# Altium PCB HYDRA_V3_NAV_CRIPPLED_V2.PcbDoc (part 2 of 2) (continued)
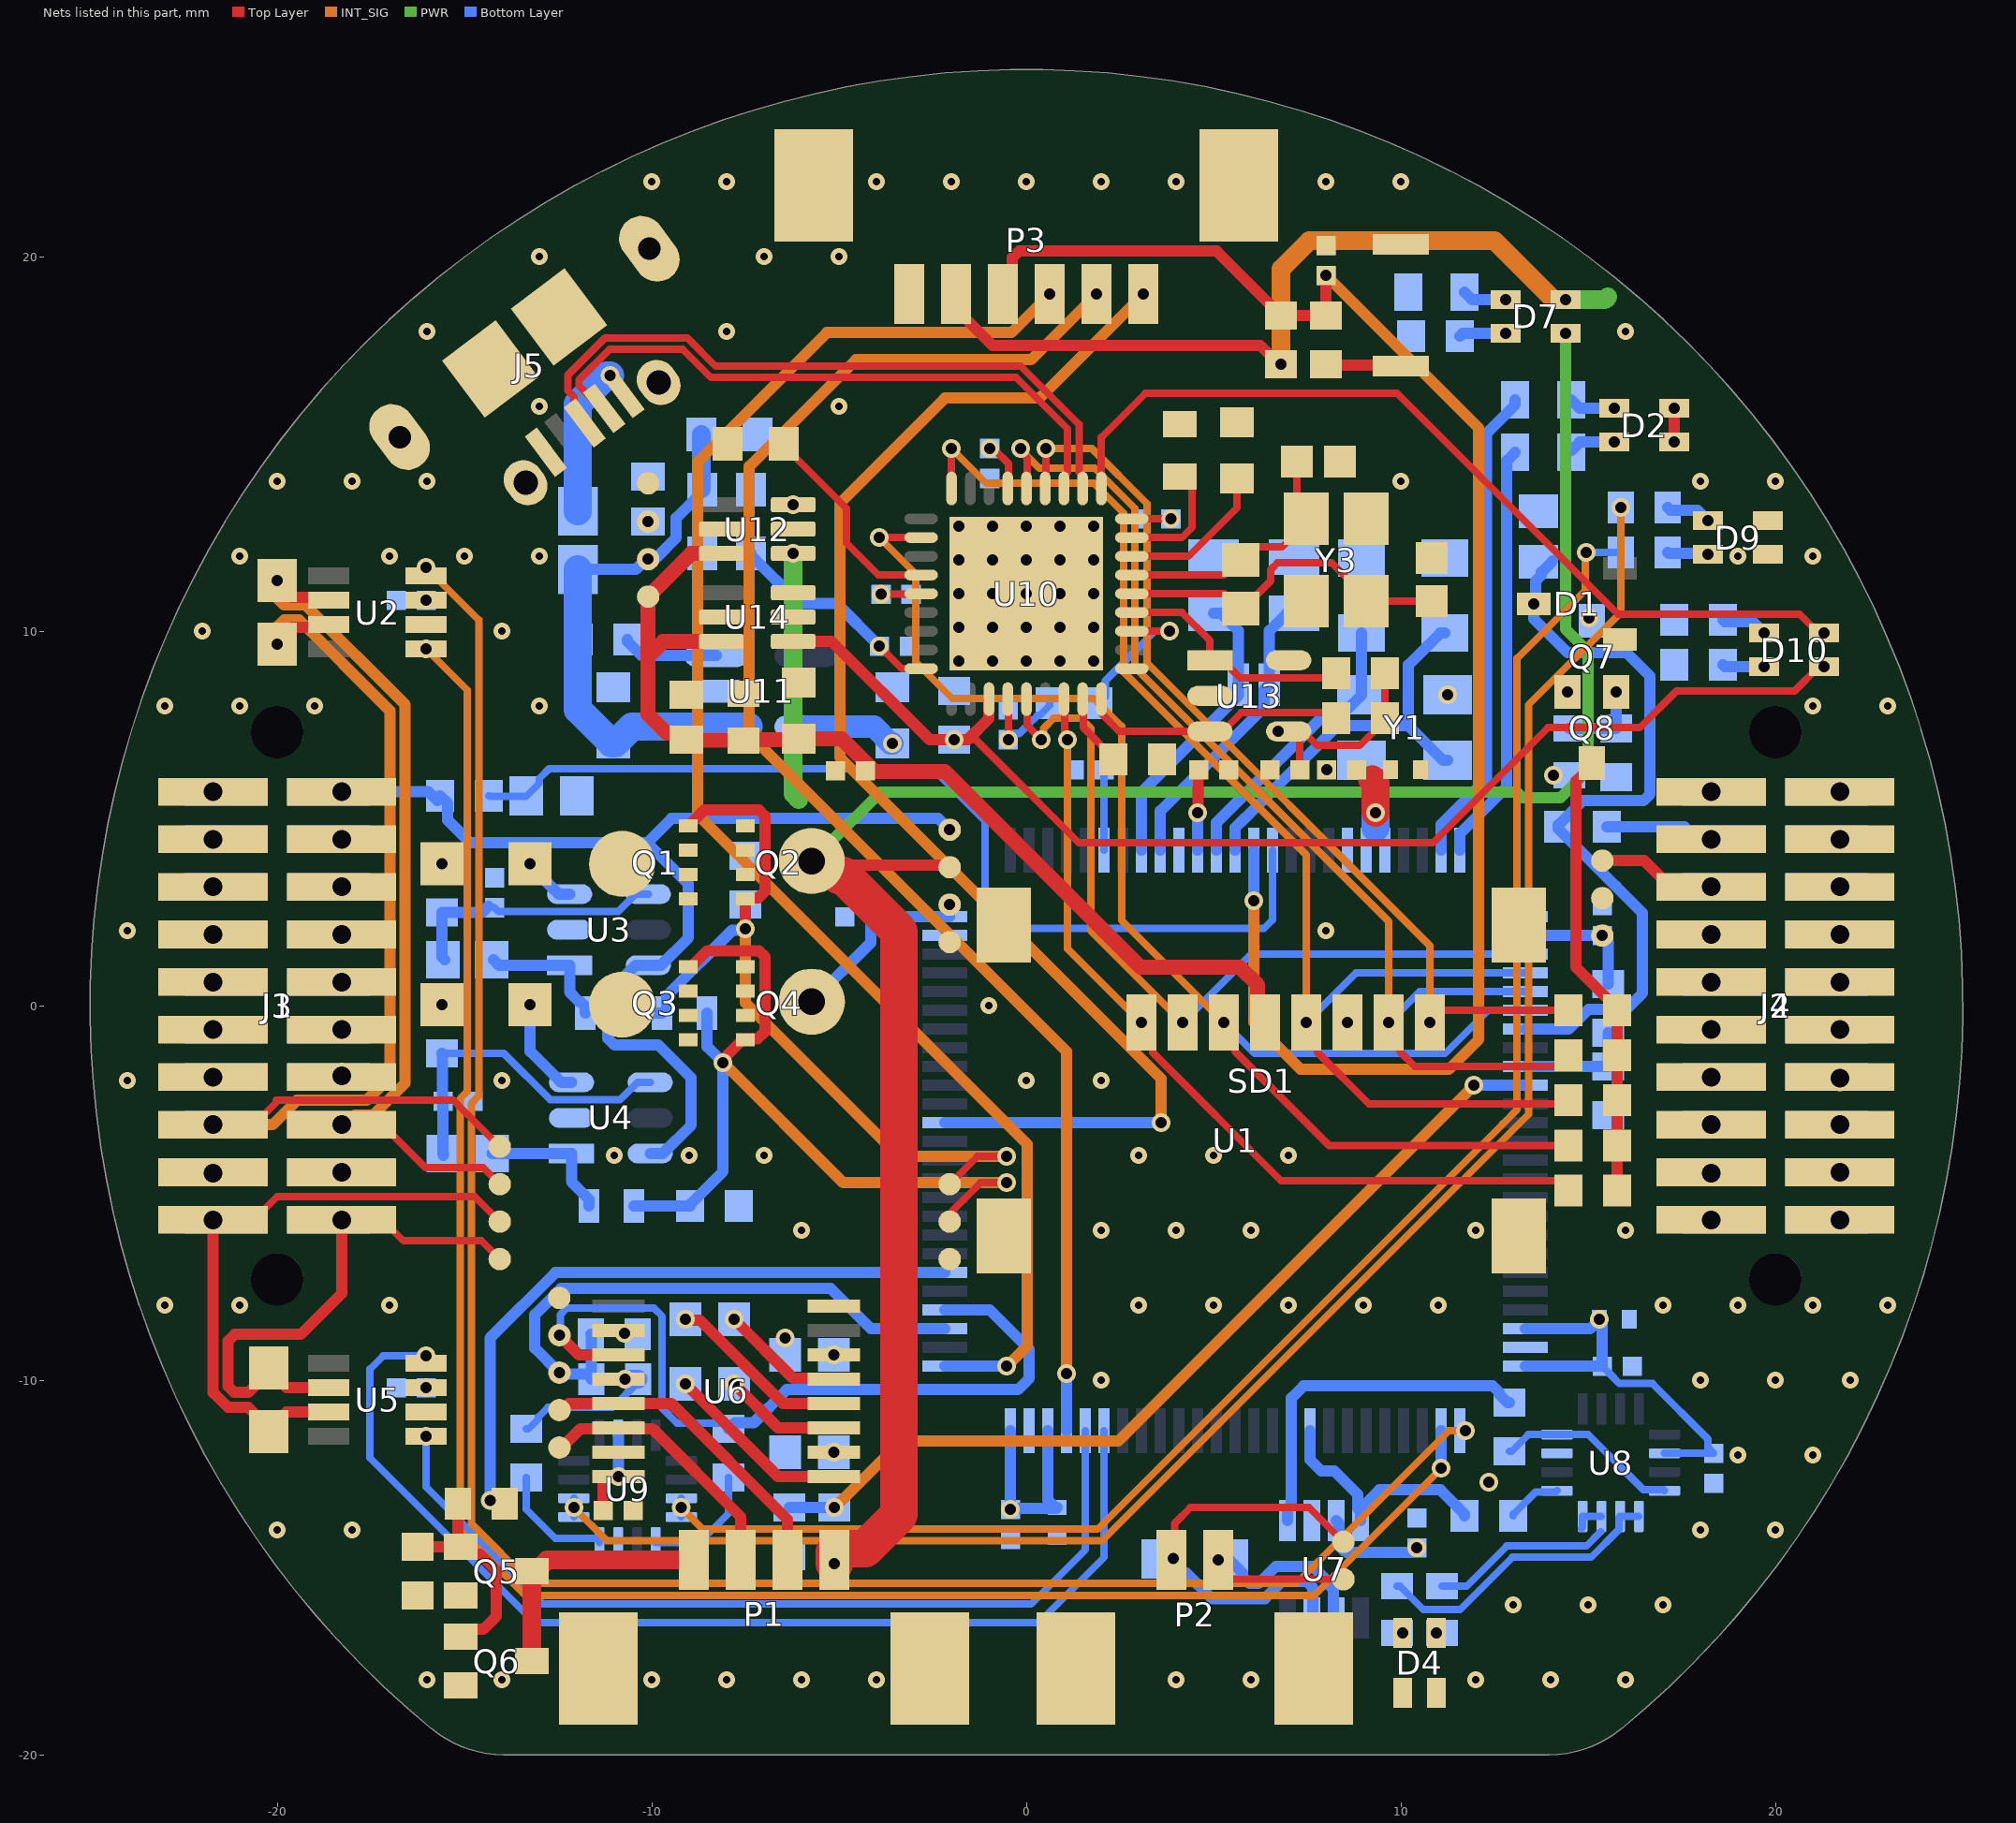
[diagram p6: the nets of this part, all layers, seen from the top]
## Nets (pads, with @x,y where several pads share a name; then routed paths per layer and width w, separated by ;. In a path a pad name is that pad's centre, name@x,y a point inside that pad or via, vN(x,y) a via of type N, cw(c..) or ccw(c..) an arc to the next point about the centre after c; other vN are vias at no path point) (continued)
  other v1: 12.35,-12.725 -6.445,-8.87 -10.725,-8.745 8.57,-0.45 8.015,6.3 11.25,8.3 -1.8,9.2 -0.9,9.2 0,9.2 0.9,9.2 1.8,9.2 -1.8,10.1 -0.9,10.1 0,10.1 0.9,10.1 1.8,10.1 -1.8,11 -0.9,11 0,11 0.9,11 1.8,11 -1.8,11.9 -0.9,11.9 0,11.9 0.9,11.9 1.8,11.9 -1.8,12.8 -0.9,12.8 0,12.8 0.9,12.8 1.8,12.8
  other v2: -16,-18 -14,-18 -10,-18 -8,-18 -6,-18 -4,-18 4,-18 6,-18 12,-18 14,-18 16,-18 13,-16 15,-16 17,-16 -20,-14 -18,-14 18,-14 20,-14 19,-12 21,-12 2,-10 18,-10 20,-10 22,-10 -23,-8 -21,-8 -17,-8 3,-8 5,-8 7,-8 9,-8 11,-8 17,-8 19,-8 21,-8 23,-8 -6,-6 2,-6 4,-6 6,-6 12,-6 16,-6 -11,-4 -9,-4 -7,-4 3,-4 5,-4 7,-4 -24,-2 -14,-2 0,-2 2,-2 -1,0 -24,2 8,2 -23,8 -21,8 -19,8 -13,8 21,8 23,8 -22,10 -14,10 -21,12 -17,12 -15,12 -13,12 19,12 21,12 -20,14 -18,14 -16,14 10,14 18,14 20,14 -13,16 -5,16 -16,18 -8,18 16,18 -13,20 -7,20 -5,20 -10,22 -8,22 -4,22 -2,22 0,22 2,22 4,22 8,22 10,22
  other v3: 18.285,-5.715 21.715,-5.715 -21.715,-4.475 18.285,-4.475 -18.285,-4.445 21.715,-4.445 18.285,-3.175 21.715,-3.175 21.715,-1.933 -21.715,-1.905 18.285,-1.905 -18.287,-1.871 18.285,-0.635 21.715,-0.635 18.285,0.635 21.715,0.635 -21.715,1.905 -18.285,1.905
NetC15_1: C15.1 R12.1 R14.2 U3.4 | length 6.9
  Bottom Layer w0.2: C15.1@-14.2,2.615 -14.098,2.513 -10.901,2.513 -10.435,2.98 U3.4@-10.097,2.98
  Bottom Layer w0.3: R14.2@-15.525,1.225 -15.603,1.303 R12.1@-15.603,2.49 -14.537,2.49 C15.1@-14.372,2.655
NetC16_1: C16.1 R16.1 R17.2 U4.4 | length 9
  Bottom Layer w0.2: R16.1@-15.6,-1.27 -13.955,-1.27 -12.713,-2.512 -10.851,-2.512 -10.385,-2.045 U4.4@-10.047,-2.045
  Bottom Layer w0.3: R16.1@-15.6,-1.27 -15.587,-1.282 -15.587,-2.538 C16.1@-15.575,-2.55 -15.575,-3.943 R17.2@-15.573,-3.945 R17.2@-15.573,-3.995
NetC22_1: C22.1 U6.2
  other v1: -5.145,-11.92
NetC23_1: C23.1 U6.3 | length 3.1
  Top Layer w0.3: v1(-7.8,-10.1) -6.63,-11.27 U6.3@-5.145,-11.27
NetC23_2: C23.2 U6.1 | length 5
  Top Layer w0.3: v1(-9.1,-10.1) -6.63,-12.57 U6.1@-5.145,-12.57
NetC24_1: C24.1 U6.6
  other v1: -5.145,-9.32
NetC25_1: C25.1 U6.5 | length 3.3
  Top Layer w0.3: v1(-7.8,-8.375) -6.23,-9.945 -5.17,-9.945 U6.5@-5.145,-9.97
NetC25_2: C25.2 U6.4 | length 4.9
  Top Layer w0.3: v1(-9.1,-8.375) -9.081,-8.394 -8.729,-8.394 -6.502,-10.62 U6.4@-5.145,-10.62
NetD2_1: D2.1 R18.1 | length 1.2
  Bottom Layer w0.3: R18.1@14.55,14.825 14.775,15.05 v1(15.7,15.05)
NetD2_4: D2.4 R19.1 | length 1.2
  Bottom Layer w0.3: R19.1@14.55,16.175 14.775,15.95 v1(15.7,15.95)
NetD4_2: D4.2 R35.2
  other v1: 10.95,-16.75
NetD4_3: D4.3 R37.2
  other v1: 10.05,-16.75
NetD7_1: D7.1 R23.1 | length 1.3
  Bottom Layer w0.3: R23.1@11.575,17.875 11.65,17.95 v1(12.8,17.95)
NetD7_4: D7.4 R24.1 | length 1.2
  Bottom Layer w0.3: R24.1@11.7,19.05 11.9,18.85 v1(12.8,18.85)
NetD9_2: D9.2 R39.2 | length 1.2
  Bottom Layer w0.3: R39.2@17.125,13.3 17.2,13.225 17.924,13.225 v1(18.2,12.95)
NetD9_3: D9.3 R41.2 | length 1.1
  Bottom Layer w0.3: R41.2@17.125,12.1 17.15,12.075 18.175,12.075 v1(18.2,12.05)
NetD10_1: D10.1 R51.1 | length 1.1
  Bottom Layer w0.3: R51.1@18.6,9.1 18.65,9.05 v1(19.7,9.05)
NetD10_4: D10.4 R52.1 | length 1.2
  Bottom Layer w0.3: R52.1@18.6,10.3 18.65,10.25 19.4,10.25 v1(19.7,9.95)
NetFB1_2: FB1.2 J5.1 | length 4
  Bottom Layer w0.75: FB1.2@-11.975,13.201 -11.975,16.069 -11.209,16.835 v1(-11.113,16.835)
NetQ1_1: Q1.1 Q1.2 Q1.3 Q2.1 Q2.2 Q2.3
NetQ3_1: Q3.1 Q3.2 Q3.3 Q4.1 Q4.2 Q4.3
NetQ5_1: Q5.1 Q6.1 R27.2 R28.2 | length 6
  Top Layer w0.3: R28.2@-16.262,-14.463 R28.2@-16.25,-14.45 Q5.1@-15.1,-14.45 ; R27.2@-15.187,-13.287 R27.2@-15.175,-13.3 -15.175,-14.375 Q5.1@-15.1,-14.45 ; Q6.1@-15.1,-16.85 -14.9,-16.65 -14.5,-16.65 -14.15,-16.3 -14.15,-15.075 -14.575,-14.65 -14.9,-14.65 Q5.1@-15.1,-14.45
NetQ7_2: Q7.2 Q8.2
  other v1: 14.45,8.375
NetR20_2: R20.2 SW1.1 | length 2
  Top Layer w0.3: R20.2@8,17.125 8.025,17.1 9.975,17.1 SW1.1@10,17.075
NetR35_1: R35.1 U8.7 U8.8 | length 5.7
  Bottom Layer w0.2: R35.1@11.1,-15.5 11.75,-15.5 12.825,-14.425 14.95,-14.425 U8.7@15.335,-14.04 ; U8.8@14.82,-13.955 14.85,-13.925 U8.8@14.85,-13.635 U8.7@15.35,-13.635
NetR36_2: R36.2 U8.9 | length 1.5
  Bottom Layer w0.2: R36.2@13,-13.625 13,-13.575 13.595,-12.98 14.135,-12.98 U8.9@14.165,-12.95
NetR37_1: R37.1 U8.5 U8.6 | length 7.9
  Bottom Layer w0.2: R37.1@9.9,-15.5 9.975,-15.5 10.6,-16.125 11.575,-16.125 12.973,-14.727 15.074,-14.727 15.82,-13.981 15.82,-13.665 U8.6@15.85,-13.635 U8.5@16.35,-13.635
NetR38_1: R38.1 U8.4 U8.12 | length 4.9
  Bottom Layer w0.2: R38.1@12.9,-11.9 12.95,-11.9 13.4,-11.45 15,-11.45 16.47,-12.92 17.005,-12.92 U8.4@17.035,-12.95
NetR39_1: R39.1 U9.13 U9.14 | length 48.3
  INT_SIG w0.2: v1(-12.085,-13.4) -11.208,-14.277 2.024,-14.277 13.402,-2.9 13.402,8.034 15.875,10.507 v1(15.875,13.3)
  Bottom Layer w0.2: U9.13@-12.085,-13.65 v1(-12.085,-13.4) U9.14@-12.085,-13.15
NetR40_2: R40.2 U9.12 | length 3.2
  Bottom Layer w0.2: R40.2@-13.35,-12.6 -13.35,-13.45 -12.575,-14.225 -11.43,-14.225 -11.4,-14.255 U9.12@-11.4,-14.335
NetR41_1: R41.1 U9.7 U9.8 | length 44.3
  INT_SIG w0.2: v1(-9.215,-13.4) -8.64,-13.975 1.9,-13.975 12.723,-3.152 12.723,-3.15 13.1,-2.773 13.1,9.275 14.925,11.1 14.925,12.075 v1(14.95,12.1)
  Bottom Layer w0.2: U9.8@-9.215,-13.65 v1(-9.215,-13.4) U9.7@-9.215,-13.15 ; v1(14.95,12.1) R41.1@15.875,12.1
NetR42_1: R42.1 U9.9 | length 3.2
  Bottom Layer w0.2: U9.9@-9.9,-14.335 -8.735,-14.335 -7.95,-13.55 R42.1@-7.95,-12.6
NetR47_2: R47.2 U10.35 | length 3.2
  Top Layer w0.2: U10.35@2.834,12.499 4.149,12.499 4.425,12.775 4.425,13.875 4.175,14.125 R47.2@4.1,14.125
NetR53_1: R53.1 U11.3 | length 2.6
  Bottom Layer w0.3: R53.1@-10.65,9.775 -10.65,9.725 -10.275,9.35 U11.3@-8.275,9.35
nRESET: C30.2 R43.2 R44.2 U10.18 | length 7.2
  Top Layer w0.2: v1(-3.925,9.6) -3.324,8.999 U10.18@-2.791,8.999
  Bottom Layer w0.3: R43.2@-8.65,12.075 R44.2@-7.35,12.075 -7.35,12.025 -6.067,10.742 -5.067,10.742 v1(-3.925,9.6)
PRE_SBG_RX: R25.2 R40.1 U6.12 | length 4
  Bottom Layer w0.2: R40.1@-13.35,-11.3 -13.3,-11.3 -13.025,-11.025 -13.025,-10.975 -12.775,-10.725 -11.05,-10.725 -10.37,-10.045 R25.2@-10.37,-9.97
  Bottom Layer w0.5: v1(-10.72,-9.97) R25.2@-10.37,-9.97
PYRO_PWR: J2.01 J2.02 J2.03 J2.04 J2.05 J2.06 J2.07 J2.08 J4.01 J4.02 J4.03 J4.04 J4.05 J4.06 J4.07 J4.08 R4.2 TP3.1 | length 6.1
  Top Layer w0.3: TP3.1@15.375,3.875 16.495,3.875 17.195,3.175 v3(18.285,3.175)
  Bottom Layer w0.3: R4.2@15.5,4.775 17.565,4.775 17.895,4.445 v3(18.285,4.445)
  other v3: 18.285,1.905 21.715,1.905 21.715,3.175 21.715,4.445 18.285,5.715 21.715,5.715
PYRO_PWR_SENSE: D1.3 R4.1 R8.2 U1.32 | length 20.3
  Bottom Layer w0.3: U1.32@13.325,-0.625 14.474,-0.625 15.001,-0.098 16.012,-0.098 16.45,0.339 16.45,2.475 15.887,3.038 15.739,3.187 R4.1@14.2,4.725 ; R8.2@14.05,11.875 13.75,11.575 13.75,11.5 13.588,11.338 13.588,10.763 v1(13.55,10.725) 13.55,10.326 14.451,9.425 16.025,9.425 16.65,8.8 16.65,5.649 16.474,5.473 14.848,5.473 14.2,4.825 R4.1@14.2,4.775
R_LED: R19.2 U1.24 | length 12.8
  Bottom Layer w0.3: U1.24@11.075,4.15 11.075,4.844 12.277,6.046 12.277,15.277 13.05,16.05 R19.2@13.05,16.175
RESETN: C6.1 C18.1 P3.4 R20.1 R22.2 U1.14 | length 44.9
  Top Layer w0.3: P3.4@-0.625,19 -0.375,19.25 -0.375,19.974 -0.199,20.15 4.519,20.15 4.521,20.148 5.077,20.148 6.525,18.7 6.525,18.65 6.75,18.425 R22.2@6.8,18.425 R20.1@8,18.425 v1(8,19.5)
  INT_SIG w0.3: v1(6.075,2.8) 6.075,-0.45 7.325,-1.7 11.275,-1.7 12.075,-0.9 12.075,15.425 v1(8,19.5)
  Bottom Layer w0.3: v1(6.075,2.8) U1.14@6.075,4.15
SBG_GND: P1.1 Q5.3 Q6.3 | length 6.8
  Top Layer w0.5: Q6.3@-13.2,-17.5 Q5.3@-13.2,-15.1 -13.1,-15.1 -12.8,-14.8 P1.1@-8.875,-14.8
SBG_PWR: R27.1 U1.81 | length 17.2
  Bottom Layer w0.3: v1(-14.322,-13.212) -14.322,-8.872 -12.575,-7.125 U1.81@-2.175,-7.125
SBG_RS232_RX: P1.3 TP19.1 U6.13 | length 8.5
  Top Layer w0.3: TP19.1@-12.47,-10.795 -12.389,-10.795 -12.214,-10.62 U6.13@-10.895,-10.62 -9.48,-10.62 -6.375,-13.725 P1.3@-6.375,-14.8
SBG_RS232_TX: P1.2 TP18.1 U6.14 | length 7.2
  Top Layer w0.3: TP18.1@-12.47,-11.795 -12.41,-11.795 -11.91,-11.295 -10.92,-11.295 U6.14@-10.895,-11.27 -10.87,-11.295 -9.98,-11.295 -7.625,-13.65 P1.2@-7.625,-14.8
SBG_RX: R25.1 R26.2 TP17.1 U1.78 | length 15.4
  Bottom Layer w0.3: R25.1@-11.757,-9.833 -12.432,-9.833 v1(-12.47,-9.795) -13.125,-9.14 -13.125,-8.25 -12.425,-7.55 -5.225,-7.55 -4.15,-8.625 U1.78@-2.175,-8.625 ; R26.2@-11.625,-8.775 -11.623,-8.777 -11.623,-9.968 R25.1@-11.62,-9.97
SBG_TX: R42.2 TP16.1 U1.79 U6.11 | length 21.7
  Top Layer w0.3: v1(-12.47,-8.795) -11.945,-9.32 U6.11@-10.895,-9.32
  Bottom Layer w0.2: v1(-12.47,-8.795) -12.445,-8.77 -12.445,-8.245 -12.275,-8.075 -9.942,-8.075 -9.727,-8.291 -9.727,-10.748 -9.325,-11.15 -8.1,-11.15 R42.2@-7.95,-11.3
  Bottom Layer w0.3: R42.2@-7.95,-11.3 -7.782,-11.132 -7.282,-11.132 -6.4,-10.25 -0.225,-10.25 0.075,-9.95 0.075,-9.175 -0.975,-8.125 U1.79@-2.175,-8.125
SD_ACT: D10.3 U10.1 | length 23.8
  Top Layer w0.2: U10.1@2,13.812 2,15.175 3.175,16.35 9.9,16.35 15.8,10.45 20.65,10.45 21.15,9.95 v1(21.3,9.95)
SD_CLK: R29.1 SD1.5 U1.29 U10.9 | length 36.6
  Top Layer w0.2: U10.9@-2,13.812 v1(-2,14.875) ; v1(7.47,-0.45) 7.77,-0.75 7.77,-1.245 9.15,-2.625 14.375,-2.625 R29.1@14.475,-2.525
  INT_SIG w0.2: v1(-2,14.875) -1.075,13.95 1.798,13.95 2.598,13.15 2.598,8.902 7.47,4.03 v1(7.47,-0.45)
  Bottom Layer w0.2: v1(7.47,-0.45) 8.795,0.875 U1.29@13.325,0.875
SD_CMD: R30.1 SD1.3 U1.31 U10.11 | length 39.8
  Top Layer w0.2: v1(-3.925,12.5) U10.11@-2.792,12.499 ; v1(5.27,-0.45) 5.57,-0.75 5.57,-1.22 8.081,-3.731 R30.1@14.475,-3.731
  INT_SIG w0.2: v1(-3.925,12.5) -2.95,11.525 -2.95,9.175 -1.975,8.2 1.8,8.2 2.539,7.461 2.539,2.281 v1(5.27,-0.45)
  Bottom Layer w0.2: v1(5.27,-0.45) 6.095,-1.275 11.175,-1.275 12.325,-0.125 U1.31@13.325,-0.125
SD_DAT0: R31.1 SD1.7 U1.30 U10.5 | length 31.1
  Top Layer w0.2: v1(-0.15,14.875) -0.15,14.794 0.022,14.622 U10.5@0.022,13.811 ; v1(9.67,-0.45) 9.97,-0.75 9.97,-1.22 10.375,-1.625 14.2,-1.625 14.475,-1.35 R31.1@14.475,-1.325
  INT_SIG w0.2: v1(-0.15,14.875) -0.15,14.842 0.342,14.35 1.825,14.35 2.9,13.275 2.9,9.027 9.67,2.257 v1(9.67,-0.45)
  Bottom Layer w0.2: v1(9.67,-0.45) 10.495,0.375 U1.30@13.325,0.375
SD_DAT1: R32.1 SD1.8 U10.4 | length 25.2
  Top Layer w0.2: U10.4@0.522,13.811 v1(0.522,14.878) ; v1(10.77,-0.45) 10.77,-0.425 11.07,-0.125 R32.1@14.475,-0.125
  INT_SIG w0.2: v1(0.522,14.878) 1.747,14.878 3.225,13.4 3.225,9.15 10.77,1.605 v1(10.77,-0.45)
SD_DAT2: R56.1 SD1.1 U10.25 | length 23
  Top Layer w0.2: U10.25@1.022,8.186 1.022,7.265 1.1,7.186 v1(1.1,7.105) ; v1(3.07,-0.45) 3.37,-0.75 3.37,-1.245 6.8,-4.675 14.219,-4.675 R56.1@14.475,-4.931
  INT_SIG w0.2: v1(1.1,7.105) 1.1,1.52 v1(3.07,-0.45)
SD_DAT3: SD1.2 U1.28 U10.23 | length 21.8
  Top Layer w0.2: U10.23@0.022,8.186 0.022,7.484 v1(0.4,7.105)
  INT_SIG w0.2: v1(0.4,7.105) 0.457,7.163 0.457,7.407 0.725,7.675 1.45,7.675 1.717,7.408 1.717,2.003 v1(4.17,-0.45)
  Bottom Layer w0.2: v1(4.17,-0.45) 5.995,1.375 U1.28@13.325,1.375
SD_nCD: R46.2 U10.26 | length 1.9
  Top Layer w0.2: U10.26@1.522,8.186 1.522,7.428 2.325,6.625 R46.2@2.325,6.575
SD_PU_MOS: Q7.1 Q8.1 R34.1 R57.2 | length 2.2
  Bottom Layer w0.3: R34.1@14.5,7.4 R57.2@15.75,7.4 v1(15.75,8.375)
SD_PU_PWR: Q8.3 R29.2 R30.2 R31.2 R32.2 R56.2 | length 12.1
  Top Layer w0.3: Q8.3@15.1,6.475 15.1,6.375 14.9,6.175 14.851,6.175 14.675,5.999 14.675,1.025 15.775,-0.075 R32.2@15.775,-0.125 R31.2@15.775,-1.325 R29.2@15.775,-2.525 R30.2@15.775,-3.731 R56.2@15.775,-4.931
SD_PWR: C26.1 C38.1 C39.1 R50.2 SD1.4 TP20.1 U12.6 U14.6 | length 28.1
  Top Layer w0.4: U14.6@-8.15,9.725 -9.7,9.725 -10.1,9.325 ; U12.6@-8.15,12.075 -8.95,12.075 TP20.1@-10.1,10.925 -10.1,9.325 ; SD1.4@6.37,-0.45 6.17,-0.25 6.17,0.555 5.7,1.025 3.05,1.025 -2.175,6.25 -4.05,6.25 -4.187,6.388 -4.925,7.125 C39.1@-6.075,7.125 -6.1,7.1 -7.525,7.1 R50.2@-7.55,7.075 -7.563,7.087 -9.062,7.087 C38.1@-9.075,7.1 -9.25,7.275 -9.6,7.275 -10.1,7.775 -10.1,9.325
SD_WP: R49.1 U10.30 | length 3.9
  Top Layer w0.2: U10.30@2.834,9.999 v1(3.825,9.999)
  Bottom Layer w0.2: R49.1@1.925,8.075 2.108,8.258 2.108,8.683 3.424,9.999 v1(3.825,9.999)
SWCLK: P3.3 U1.76 | length 40.9
  INT_SIG w0.3: v1(-0.525,-9.625) 0.025,-9.075 0.025,-3.7 -8.775,5.1 -8.775,14.525 -5.325,17.975 -0.4,17.975 v1(0.625,19)
  Bottom Layer w0.3: U1.76@-2.175,-9.625 v1(-0.525,-9.625)
SWDIO: P3.2 U1.72 | length 40.4
  INT_SIG w0.3: v1(1.075,-9.825) 1.075,-1.225 -7.4,7.25 -7.4,14.4 -4.55,17.25 0.125,17.25 v1(1.875,19)
  Bottom Layer w0.3: U1.72@1.075,-11.35 v1(1.075,-9.825)
SWO: P3.1 U1.89 | length 36.3
  INT_SIG w0.3: v1(3.125,19) 0.35,16.225 -2.175,16.225 -4.975,13.425 -4.975,6.625 3.6,-1.95 v1(3.6,-3.125)
  Bottom Layer w0.3: U1.89@-2.175,-3.125 v1(3.6,-3.125)
USB_D_N: J5.2 U10.3 | length 17
  Top Layer w0.2: J5.2@-11.274,15.953 -11.347,15.953 -11.942,16.548 -11.942,16.713 -11.13,17.525 -9.175,17.525 -8.423,16.773 -0.275,16.773 1.099,15.399 1.099,14.243 1,14.144 U10.3@1,13.812
USB_D_P: J5.3 U10.2 | length 18.2
  Top Layer w0.2: J5.3@-11.793,15.562 -12.079,15.847 -12.079,16.258 -12.243,16.423 -12.243,16.838 -11.255,17.827 -9.05,17.827 -8.298,17.075 -0.15,17.075 1.401,15.524 1.401,14.243 1.5,14.144 U10.2@1.5,13.812
VBAT: C4.2 U1.6 | length 2.2
  Bottom Layer w0.2: U1.6@2.075,4.15 C4.2@2.075,6.3
VCC: J1.01 J1.02 J3.01 J3.02 R3.2 TP2.1 U3.6 U4.6 | length 29.7
  Bottom Layer w0.3: v3(-18.285,5.715) -15.965,5.715 R3.2@-15.725,5.475 ; R3.2@-15.65,5.6 -15.457,5.407 -15.457,4.957 -14.85,4.35 -10.125,4.35 ; U4.6@-10.047,-3.945 -9.709,-3.945 -8.95,-3.186 -8.95,-1.925 -9.825,-1.05 -10.999,-1.05 -11.175,-0.874 -11.175,0.34 -10.435,1.08 U3.6@-10.097,1.08 -9.759,1.08 -9.027,1.812 -9.027,3.252 -10.125,4.35 ; v1(-2.05,4.7) -2.35,5 -9.475,5 -10.125,4.35
  other v3: -21.715,5.715
VCC_SENSE: R3.1 R7.2 U1.15 | length 26.1
  Bottom Layer w0.2: R3.1@-14.35,5.6 -14.335,5.585 -13.365,5.585 -13,5.95 -13,6.071 -12.744,6.327 -2.502,6.327 -1.11,4.935 -1.11,3.135 -0.035,2.06 6.34,2.06 6.575,2.296 6.575,3.007 U1.15@6.575,4.15
VDD18: C35.1 U10.13 | length 5.7
  Top Layer w0.2: C35.1@-6.475,15 -6.475,14.95 -4.8,13.275 -4.8,12.35 -3.95,11.5 U10.13@-2.812,11.5
VDD18PLL: C36.1 U10.34 | length 4.1
  Top Layer w0.2: U10.34@2.834,11.999 4.324,11.999 5.625,13.3 C36.1@5.625,14.075
VDD33: C31.1 C32.2 C33.2 C34.2 C41.1 C42.2 R34.2 R45.2 R48.2 R49.2 TP22.1 U10.6 U10.14 U10.22 U11.5 U12.3 U13.4 | length 12.9
  Top Layer w0.2: v1(-3.879,10.986) -2.803,10.986 U10.14@-2.791,10.999 ; v1@-1.02,14.878 -0.962,14.82 -0.822,14.82 -0.478,14.476 U10.6@-0.478,13.811 ; v1(-0.478,7.105) U10.22@-0.478,8.186 ; U13.4@7,7.325 U13.4@7.147,7.325 ; C42.2@7.3,6.3 7.3,7.172 U13.4@7.147,7.325 ; R45.2@9.575,8.875 R48.2@9.575,7.675 9.575,7.625 8.9,6.95 7.763,6.95 7.388,7.325 U13.4@7.147,7.325
  Bottom Layer w0.2: v1(-0.478,7.105) -0.478,7.111 -0.325,7.265 -0.197,7.265 0.161,7.623 0.173,7.623 0.3,7.75 0.35,7.75 0.625,8.025 R49.2@0.625,8.075
  Bottom Layer w0.6: U11.5@-5.874,7.45 -4.071,7.45 -3.629,7.008 v1(-3.579,7.008)
  other v1: 14.075,6.15 6.725,7.325 -10.1,12.925 -6.23,13.375 -0.978,14.878
VDDA33: C37.2 U10.36 | length 1
  Top Layer w0.2: U10.36@2.834,12.999 v1(3.859,12.999)
X_IN: C13.2 U1.12 Y1.3 | length 7.7
  Bottom Layer w0.3: U1.12@5.075,4.15 5.075,4.893 8.107,7.925 8.575,7.925 Y1.3@8.95,8.3 C13.2@8.95,9.95
X_OUT: C14.2 U1.13 Y1.1 | length 10.7
  Bottom Layer w0.3: U1.13@5.575,4.15 5.575,4.756 5.821,5.002 5.827,5.002 8.3,7.475 10.2,7.475 ; C14.2@11.175,9.95 11.05,9.95 10.2,9.1 10.2,7.475 ; Y1.1@11.25,6.55 11.125,6.55 10.2,7.475
XIN_32: C19.1 U1.8 Y2.1 | length 7.8
  Bottom Layer w0.3: U1.8@3.075,4.15 3.075,5.705 5.663,8.293 Y2.1@5.663,8.575 5.663,10.012 5.2,10.475 C19.1@5,10.475
XOUT_32: C20.1 U1.9 Y2.2 | length 7.9
  Bottom Layer w0.3: U1.9@3.575,4.15 3.575,5.2 6.35,7.975 6.35,8.438 Y2.2@6.488,8.575 6.488,10.013 6.95,10.475 C20.1@7.15,10.475
XTAL1: C44.2 R54.1 U10.33 Y3.3 | length 6.9
  Top Layer w0.2: U10.33@2.834,11.499 5.274,11.499 5.675,11.9 R54.1@5.725,11.9 6.075,12.25 6.825,12.25 7.475,12.9 Y3.3@7.475,13 7.225,13.25 C44.2@7.225,14.525
XTAL2: C43.2 R54.2 U10.32 Y3.1 | length 9.3
  Top Layer w0.2: U10.32@2.834,10.999 5.276,10.999 5.675,10.6 R54.2@5.725,10.6 5.775,10.6 6.52,11.345 6.52,11.645 6.7,11.825 8.15,11.825 9.075,10.9 Y3.1@9.075,10.8 C43.2@10.825,10.8
pads on no net: D1.2 J1. J2. J3. J4. J5.4 U1. U1.1 U1.2 U1.3 U1.4 U1.5 U1.7 U1.16 U1.17 U1.18 U1.22 U1.23 U1.33 U1.36 U1.37 U1.38 U1.39 U1.40 U1.41 U1.42 U1.43 U1.44 U1.45 U1.46 U1.47 U1.53 U1.54 U1.55 U1.56 U1.57 U1.58 U1.61 U1.62 U1.63 U1.64 U1.65 U1.66 U1.67 U1.68 U1.69 U1.77 U1.80 U1.82 U1.83 U1.84 U1.85 U1.86 U1.87 U1.88 U1.90 U1.91 U1.92 U1.93 U1.94 U1.95 U1.96 U1.97 U1.98 U2.5 U2.8 U3.5 U4.5 U5.5 U5.8 U6.7 U6.9 U7.5 U7.8 U8.1 U8.3 U8.10 U8.13 U8.14 U8.15 U8.16 U9.1 U9.3 U9.4 U9.5 U9.6 U9.10 U9.15 U9.16 U10.7 U10.8 U10.10 U10.12 U10.15 U10.16 U10.17 U10.19 U10.20 U10.24 U10.29 U11.4 U12.4 U14.4

## Polygon pours and split planes (outlines as drawn)
GND on Top Layer "GND_L01_P018" (solid, pour order 18): -15.888,-19.298 ccw(c-13.96,-17) -13.96,-20 13.96,-20 ccw(c13.96,-17) 15.888,-19.298 15.89,-19.3 ccw(c0,0) 15.15,19.887 ccw(c0,0) -21.933,11.998 ccw(c0,0)
3V3 on Top Layer "3V3_L01_P015" (solid, pour order 15): 8.555,6.04 8.555,6.56 9.075,6.56 9.085,6.55 9.915,6.55 9.915,6.05
5V_PRE_SHUNT on Top Layer "5V_PRE_SHUNT_L01_P013" (solid, pour order 13): -23.175,4.815 -23.175,2.805 -16.825,2.805 -15.025,3.215 -15.025,4.365 -16.825,4.815
3V3_PRE_SHUNT on Top Layer "3V3_PRE_SHUNT_L01_P012" (solid, pour order 12): -23.175,1.005 -23.175,-1.005 -16.825,-1.005 -15.022,-0.545 -15.022,0.605 -16.825,1.005
NetQ3_1 on Top Layer "NETQ3_1_L01_P007" (solid, pour order 7): -9.275,0.568 -9.275,-1.082 -8.775,-1.082 -7.75,-0.432 -7.25,-0.432 -7.25,1.218 -7.75,1.218 -8.775,0.568
3V3_POST_SHUNT on Top Layer "3V3_POST_SHUNT_L01_P003" (solid, pour order 3): -13.825,0.605 -12.075,1.243 -11.8,1.293 -9.795,1.293 -9.795,-1.157 -11.75,-1.157 -11.775,-1.157 -12.113,-1.107 -13.825,-0.545
NetQ1_1 on Top Layer "NETQ1_1_L01_P004" (solid, pour order 4): -9.277,4.328 -9.277,2.678 -8.777,2.678 -7.752,3.328 -7.252,3.328 -7.252,4.978 -7.752,4.978 -8.777,4.328
5V_POST_SHUNT on Top Layer "5V_POST_SHUNT_L01_P002" (solid, pour order 2): -13.828,4.365 -12.077,5.003 -11.802,5.053 -9.797,5.053 -9.797,2.603 -11.752,2.603 -11.777,2.603 -12.115,2.653 -13.828,3.215
3V3 on PWR "3V3_L05_P024" (solid, pour order 24): -15.89,-19.3 cw(c0,0) -21.933,11.998 -21.93,12 -15.25,12 -15.25,6 15.15,6 15.15,19.9 15.15,19.887 cw(c0,0) 15.89,-19.3 15.888,-19.298 cw(c13.96,-17) 13.96,-20 -13.96,-20 cw(c-13.96,-17)
VDD33 on PWR "VDD33_L05_P023" (solid, pour order 23): -21.933,11.998 cw(c0,0) 15.15,19.887 15.15,19.9 15.15,6 -15.25,6 -15.25,12
PYRO_PWR on PWR "PYRO_PWR_L05_P011" (solid, pour order 11): 16.825,6.085 23.175,6.085 23.175,1.535 16.825,1.535
5V_PRE_SHUNT on PWR "5V_PRE_SHUNT_L05_P009" (solid, pour order 9): -23.175,4.815 -16.825,4.815 -16.825,2.805 -23.175,2.805
VCC on PWR "VCC_L05_P008" (solid, pour order 8): -23.175,6.085 -16.825,6.085 -16.825,5.345 -23.175,5.345
3V3_PRE_SHUNT on PWR "3V3_PRE_SHUNT_L05_P010" (solid, pour order 10): -23.175,1.005 -16.825,1.005 -16.825,-1.005 -23.175,-1.005
GND on Bottom Layer "GND_L06_P022" (solid, pour order 22): -15.888,-19.298 ccw(c-13.96,-17) -13.96,-20 13.96,-20 ccw(c13.96,-17) 15.888,-19.298 15.89,-19.3 ccw(c0,0) 15.15,19.887 ccw(c0,0) -21.933,11.998 ccw(c0,0)
3V3 on Bottom Layer "3V3_L06_P014" (solid, pour order 14): 8.925,4.75 8.925,3.55 9.725,3.55 9.725,4.75
GND on GND 2 "GND_L04_P021" (solid, pour order 21): -15.888,-19.298 ccw(c-13.96,-17) -13.96,-20 13.96,-20 ccw(c13.96,-17) 15.888,-19.298 15.89,-19.3 ccw(c0,0) 15.15,19.887 ccw(c0,0) -21.933,11.998 ccw(c0,0)
GND on INT_SIG "GND_L03_P020" (solid, pour order 20): -15.888,-19.298 ccw(c-13.96,-17) -13.96,-20 13.96,-20 ccw(c13.96,-17) 15.888,-19.298 15.89,-19.3 ccw(c0,0) 15.15,19.887 ccw(c0,0) -21.933,11.998 ccw(c0,0)
GND on GND 1 "GND_L02_P019" (solid, pour order 19): -15.888,-19.298 ccw(c-13.96,-17) -13.96,-20 13.96,-20 ccw(c13.96,-17) 15.888,-19.298 15.89,-19.3 ccw(c0,0) 15.15,19.887 ccw(c0,0) -21.933,11.998 ccw(c0,0)

## Silkscreen, mask and mechanical layers (free items; w line width, h text height)
Top Overlay:
  drawing of 23 lines, arcs and shapes, not listed
  text "DBG" at 7.15,23.149 h0.75 r270
  text "DBG" at -7.15,21.15 h0.75 r90
  text "RST" at 9.05,20.95 h0.75
  text "PWR" at 11.65,19.45 h0.75
  text "MCU" at 15.15,16.55 h0.75
  text "SD Reader" at -3.124,15.729 h0.75
  text "GND" at -11.425,13.804 h0.25
  text "SBG" at 17.15,13.55 h0.75
  text "SD_3V3" at -12.15,12.821 h0.25
  text "CAN_0" at -19.85,12.6 h0.75
  text "USB_5V" at -12.15,11.821 h0.25
  text "SD_PWR" at -12.15,10.821 h0.25
  text "SD" at 19.15,10.55 h0.75
  text "SD_RST" at -4.633,10.046 h0.25
  text "SD / PWR / MUX" at -15.686,6.5 h0.75
  text "VCC" at -3.375,4.554 h0.25
  text "PYRO" at 13.925,3.729 h0.25
  text "5V" at -3.25,3.554 h0.25
  text "GND" at 14.05,2.729 h0.25
  text "3V3" at -3.375,2.575 h0.25
  text "3V3" at 14.05,1.729 h0.25
  text "GND" at -3.375,1.554 h0.25
  text "Powered by" at -13.075,-3.1 h0.75
  text "CAN1_H" at -16.162,-3.867 h0.25
  text "CAN1_L" at -16.162,-4.867 h0.25
  text "5V_OC" at -4.025,-4.867 h0.25
  text "CAN2_H" at -16.162,-5.867 h0.25
  text "3V3_OC" at -4.15,-5.867 h0.25
  text "CAN2_L" at -16.162,-6.867 h0.25
  text "GND" at -3.775,-6.909 h0.25
  text "GND" at -14.145,-7.946 h0.25
  text "MCU_TX" at -14.52,-8.899 h0.25
  text "MCU_RX" at -14.52,-9.899 h0.25
  text "SBG_TX" at -14.52,-10.899 h0.25
  text "HYDRA_V3_NAV" at 0.15,-11.725 h0.75
  text "SBG_RX" at -14.52,-11.899 h0.25
  text "Designed by Serban" at 0.1,-12.733 h0.5
  text "CAN_1" at -20.1,-13.425 h0.75
  text "CAN3_H" at 6.363,-14.417 h0.25
  text "CAN3_L" at 6.363,-15.417 h0.25
  text "CAN Status: / GR - RX / RD - TX" at 11.625,-18.725 h0.5
Bottom Overlay:
  drawing of 23 lines, arcs and shapes, not listed
  text "x" at 6.819,14.97 h0.75
  text "SD Reg." at -4.75,10.575 h0.75
  text "OC  / Prot.  / Logic" at -4.154,-4.775 h0.75
  text "CAN_2" at 6.249,-18.725 h0.75
  text "SBG" at -6,-18.85 h0.75
Mechanical 1:
  lines w0.1: -21.93,12 -15.25,12 -15.25,6 15.15,6 15.15,19.9 ; -15.89,-19.3 cw(c0,0) -21.933,11.998 cw(c0,0) 15.15,19.887 cw(c0,0) 15.89,-19.3 ; -13.96,-20 cw(c-13.96,-17) -15.888,-19.298 ccw(c-13.96,-17) -13.96,-20 ; -13.96,-20 13.96,-20 ; 13.96,-20 ccw(c13.96,-17) 15.888,-19.298 cw(c13.96,-17) 13.96,-20

## Text inside footprints (layer, text, board x,y; h text height)
J5: Mechanical 1 "PCB EDGE" at -32.5,22.5 h1 r217